# KiCad board boatcontrol.kicad_pcb (continued)
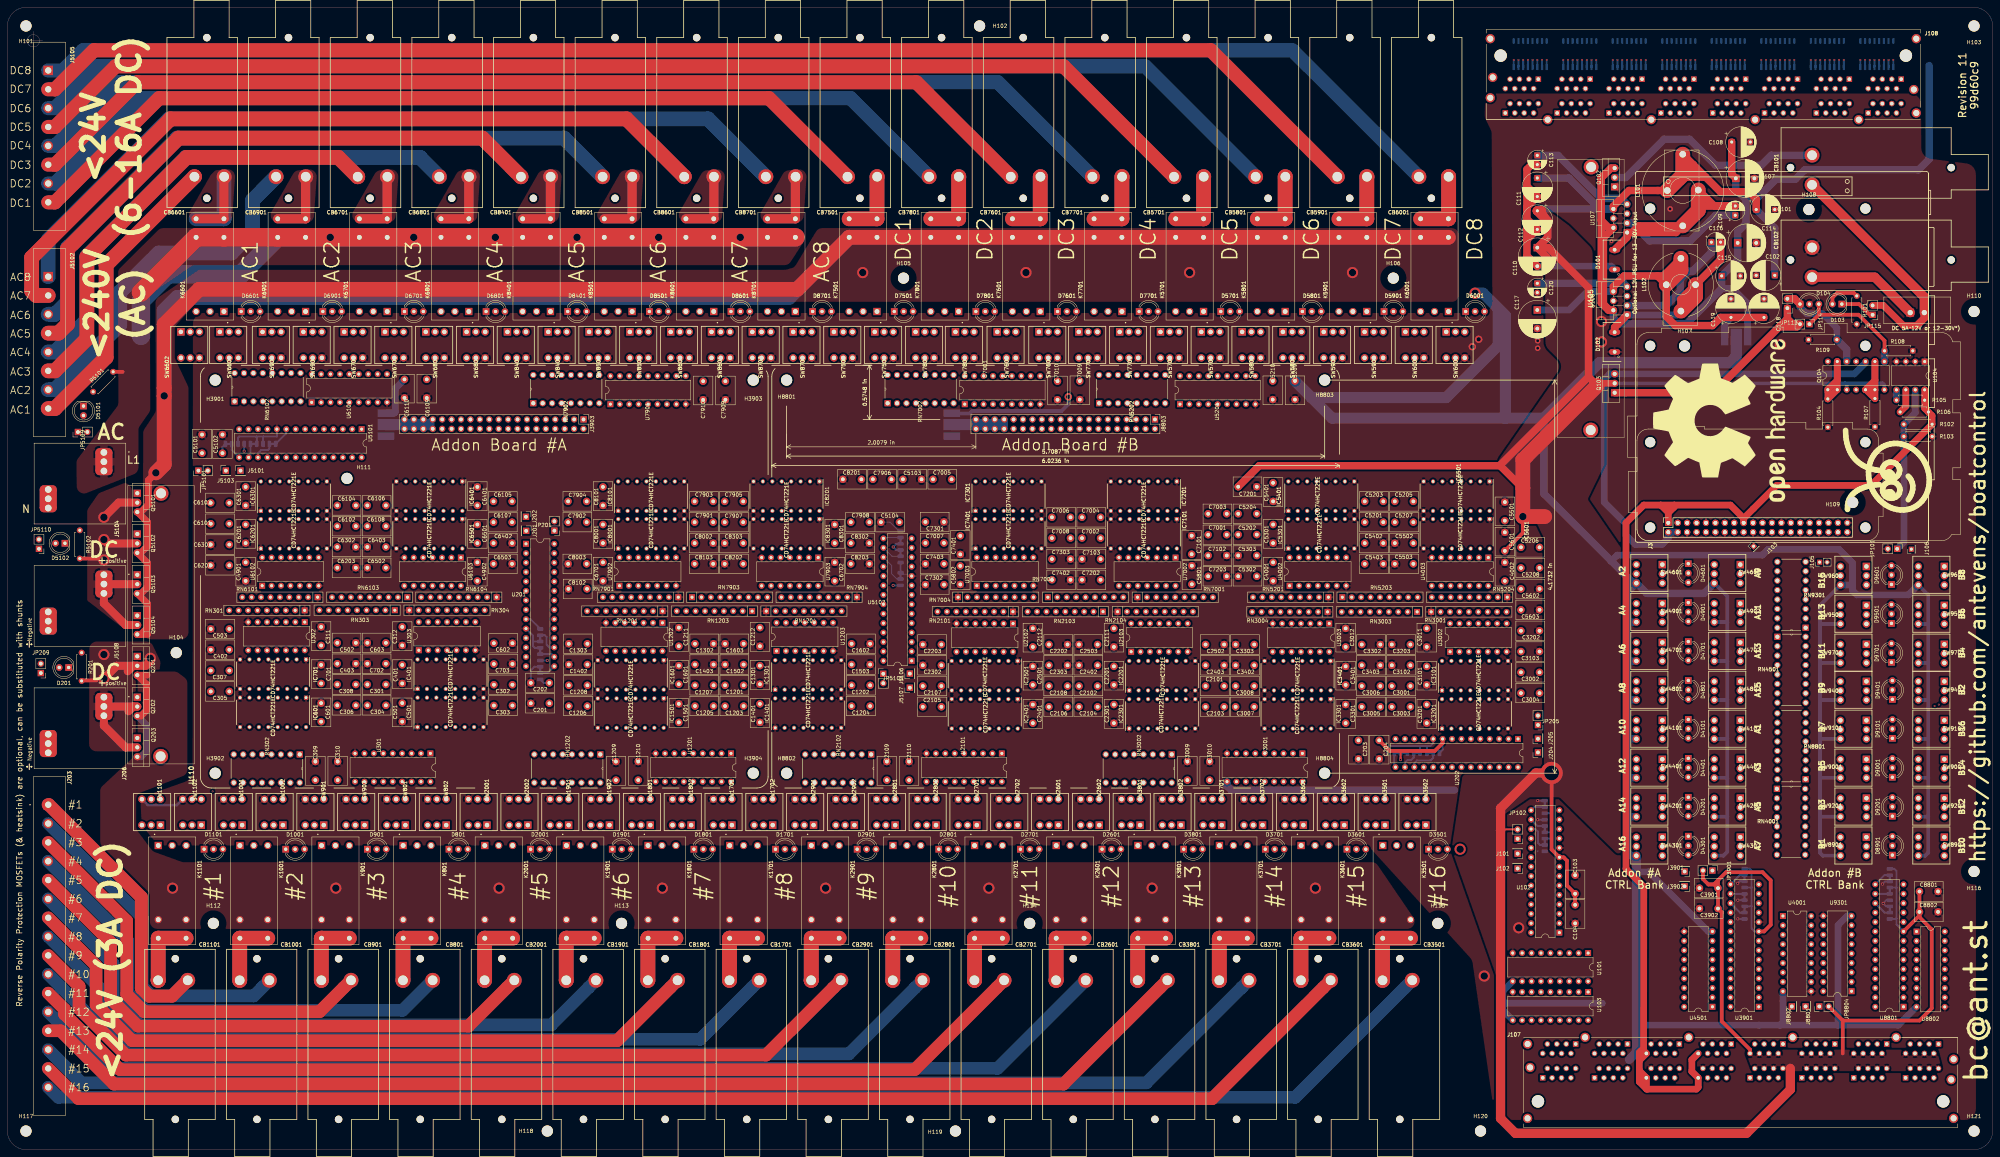
[diagram p0: board, top side]
## Routing (per net, layer and track width the routed paths; a pad name or vN(x,y) marks a point on that pad's centre or on a via; arc(x,y) is an arc through that point) (continued)
12V_DC_C10_OFF: length 374.9
  In1.Cu w0.25: J108.L_4 463.04,284.5 459.37,284.5 456.61,281.74 456.61,279.14 454.39,276.92 452.71,276.92 451.71,275.92 448.53,275.92 445.02,272.4 435.52,272.4 430.69,267.57 430.69,263.18 418.68,251.17 418.68,213.35 398.45,193.12 369.78,193.12 359.48,182.82 331.56,182.82 316.69,167.95 316.2,167.95 ; U2102.13 267.3,135.41 255.8,135.41 v4(254.32,136.88) 253.77,136.88 252.57,138.08 250.07,138.08 ; 250.07,138.08 250.08,138.08 v4(250.08,138.57) ; 250.07,138.08 248.44,138.08 246.05,140.46 246.05,147.39 249.93,151.26 249.93,165.26 251.21,166.55 253.15,166.55 254.55,167.95 316.2,167.95 ; v4(250.88,139.78) 250.88,141 249.05,142.82 249.05,145.85 249.43,146.23 252.03,146.23 RN2101.8 ; 316.29,167.95 316.2,167.95
  In2.Cu w0.25: U2102.13 268.47,133.2 268.3,133.02 268.3,131.11 269.13,130.29 269.13,129.39 270.75,127.77 274.66,127.77 275.06,128.18 278.28,128.18 C2303.2 ; v4(250.08,138.57) 250.88,139.37 v4(250.88,139.78)
12V_DC_C10_ON: length 356.6
  In1.Cu w0.25: RN2101.6 259.55,143.79 259.55,138.83 261.13,137.25 v4(262.6,137.25) ; J108.L_6 461,285 459.16,285 456.11,281.95 456.11,279.35 454.18,277.42 452.5,277.42 451.5,276.42 448.33,276.42 444.81,272.9 435.31,272.9 430.19,267.77 430.19,263.39 418.18,251.38 418.18,213.56 398.24,193.62 369.57,193.62 359.27,183.32 331.35,183.32 316.48,168.45 315.85,168.45 ; C2302.2 251.7,133.35 251.73,133.35 253.08,134.7 253.08,136.86 252.36,137.58 248.23,137.58 245.55,140.26 245.55,147.59 249.43,151.47 249.43,165.47 251.01,167.05 252.94,167.05 254.34,168.45 315.85,168.45 ; 315.85,168.45 316.08,168.45
  In2.Cu w0.25: v4(262.6,137.25) 260.85,135.5 U2102.10 259.57,132.95 254.05,132.95 C2302.2
12V_DC_C11_OFF: length 311.1
  In1.Cu w0.25: J108.C_8 482.43,279.15 481.69,278.42 479.86,278.42 478.86,277.42 475.9,277.42 472.18,273.7 462.75,273.7 v4(462.13,273.07) ; U2103.5 311.7,135.55 311.7,142.7 RN2104.5 ; C2403.2 324.93,132.62 324.93,141.9 328.23,145.2 328.23,148.21 333.2,153.19 333.2,161.56 335.59,163.95 337.34,163.95 339.82,166.43 349.68,166.43 350.68,167.43 361.87,167.43 368.18,173.73 368.18,176.44 378.34,186.6 401.55,186.6 414.07,199.13 414.07,206.63 v4(413.82,206.88)
  In2.Cu w0.25: U2103.5 314.4,132.85 320.65,132.85 C2403.2 ; v4(462.13,273.07) 454.78,265.73 449.86,265.73 445.98,269.62 439.54,269.62 437.75,271.42 423.82,271.42 422.02,269.62 418.15,269.62 414.07,265.54 414.07,264.37 413.6,263.9 411,263.9 410.5,263.4 410.5,260.23 408.6,258.33 408.6,212.1 v4(413.82,206.88)
12V_DC_C11_ON: length 328.3
  In1.Cu w0.25: J108.C_4 477.35,279.15 476.61,278.42 475.49,278.42 471.77,274.7 461.9,274.7 v4(460.28,273.07) ; RN2104.3 306.65,142.67 306.65,135.52 U2103.2 306.68,132.95 318.52,132.95 320.95,135.38 320.95,140.03 326.55,145.62 326.55,166.7 328.42,168.57 332.27,168.57 334.75,171.05 334.75,172.24 335.91,173.4 337.71,173.4 338.83,172.28 342.03,172.28 345.38,175.63 364.13,175.63 366.87,178.37 368.7,178.37 377.92,187.6 401.13,187.6 412.87,199.34 412.87,205.43 v4(412.62,205.68)
  In2.Cu w0.25: C2402.2 296.56,130.6 297.5,131.55 297.63,131.68 299.43,131.68 301.45,133.7 301.45,135.13 301.74,135.43 304.21,135.43 U2103.2 ; v4(412.62,205.68) 407.6,210.7 407.6,266.71 411.51,270.62 421.61,270.62 423.4,272.42 438.16,272.42 439.96,270.62 457.82,270.62 v4(460.28,273.07)
12V_DC_C12_OFF: length 310.2
  In1.Cu w0.25: 305.52,141.73 U2103.13 305.38,140.74 305.7,140.42 v4(305.7,138.1) ; J108.C_2 474.81,278.45 471.56,275.2 461.47,275.2 v4(459.39,273.11) ; RN2104.6 313.41,143.53 323.75,143.53 326.05,145.83 326.05,166.91 328.21,169.07 332.07,169.07 334.25,171.26 334.25,172.45 335.7,173.9 337.91,173.9 339.04,172.78 341.82,172.78 345.17,176.13 363.87,176.13 367.2,179.46 367.2,179.83 375.47,188.1 400.92,188.1 412.27,199.45 412.27,204.83 v4(412.02,205.07)
  In2.Cu w0.25: U2103.13 307.21,143.7 310.54,143.7 RN2104.6 ; C2503.2 295.7,138.1 v4(305.7,138.1) ; v4(459.39,273.11) 457.39,271.12 440.16,271.12 438.37,272.92 423.2,272.92 421.4,271.12 411.3,271.12 407.1,266.91 407.1,210 v4(412.02,205.07)
12V_DC_C12_ON: length 310.3
  In1.Cu w0.25: v4(461.19,273.06) 462.32,274.2 471.98,274.2 475.69,277.92 478.65,277.92 479.89,279.15 J108.C_6 ; v4(413.23,206.28) 413.47,206.03 413.47,199.24 401.34,187.1 378.13,187.1 367.68,176.65 367.68,173.93 364.84,171.1 359.85,171.1 359.15,171.8 359.15,174.3 358.82,174.63 345.79,174.63 342.1,170.93 339.47,170.93 337.5,172.9 336.11,172.9 335.25,172.04 335.25,170.84 332.48,168.07 328.62,168.07 327.05,166.5 327.05,145.2 v4(322.9,141.05) C2502.2
  In2.Cu w0.25: v4(322.9,141.05) 322.54,140.69 314.18,140.69 U2103.10 314.43,143.3 315.22,143.3 RN2104.8 ; v4(413.23,206.28) 408.1,211.4 408.1,266.5 411.72,270.12 421.81,270.12 423.61,271.92 437.95,271.92 439.75,270.12 446.18,270.12 450.07,266.23 454.35,266.23 v4(461.19,273.06)
12V_DC_C13_OFF: length 256.3
  In1.Cu w0.25: J108.A_8 510.37,279.15 v4(504.82,273.6) ; U3002.5 400.56,135.85 406.35,135.85 C3103.2 411.28,137.68 411.28,152.69 409.39,154.58 408.06,154.58 404.93,157.71 404.93,162.02 401.89,165.06 401.89,175.62 423.7,197.44 423.7,245.6 v4(424.5,246.4)
  In2.Cu w0.25: U3002.5 398.96,135.74 395.15,139.55 395.15,143.71 RN3001.5 ; v4(424.5,246.4) 424.75,246.65 424.75,251.92 428.83,256 435.23,256 440.08,260.85 v4(443.35,260.85) 443.6,260.6 445.71,260.6 446.34,261.23 457.08,261.23 461.35,265.5 466.81,265.5 474.67,273.36 484.14,273.36 484.15,273.35 504.57,273.35 v4(504.82,273.6)
12V_DC_C13_ON: length 294.7
  In1.Cu w0.25: J108.A_4 505.29,279.15 v4(500.77,274.63) 500.74,274.6 ; RN3001.3 386.58,142.8 380.49,142.8 376.72,139.03 376.72,131.98 C3102.2 380.35,132.85 380.35,136.65 381.75,138.05 403.14,138.05 410.28,145.18 410.28,152.27 408.97,153.58 407.65,153.58 405,156.23 402.2,156.23 401.39,157.04 401.39,163.98 400.89,164.48 400.89,176.04 422.7,197.85 422.7,247 v4(423.3,247.6)
  In2.Cu w0.25: U3002.2 390.05,135.54 390.05,143.73 RN3001.3 ; v4(423.3,247.6) 423.75,248.05 423.75,252.34 428.41,257 434.81,257 440.11,262.3 444.3,262.3 v4(444.55,262.05) 444.8,261.8 445.5,261.8 445.93,262.23 456.66,262.23 460.94,266.5 466.4,266.5 474.53,274.63 v4(500.77,274.63)
12V_DC_C14_OFF: length 287.7
  In1.Cu w0.25: U3002.13 389.96,143.25 387.95,143.25 387,142.3 380.7,142.3 378.1,139.7 C3203.2 380.45,138.55 402.94,138.55 409.78,145.39 409.78,152.07 408.77,153.08 407.44,153.08 404.79,155.73 401.99,155.73 400.89,156.83 400.89,163.77 400.39,164.27 400.39,176.25 422.2,198.06 422.2,247.7 v4(422.7,248.2) ; J108.A_2 502.75,278.45 499.4,275.1 487.57,275.1 483.39,270.92 478.59,270.92 472.38,264.7 465.15,264.7 462.85,262.4 445.4,262.4 v4(445.15,262.65)
  In2.Cu w0.25: RN3001.8 400.3,146.18 390.76,146.18 390.14,145.56 390.14,144.34 391.34,143.15 U3002.13 ; v4(445.15,262.65) 444.9,262.9 440.01,262.9 434.61,257.5 428.21,257.5 423.25,252.54 423.25,248.75 v4(422.7,248.2)
12V_DC_C14_ON: length 243.1
  In1.Cu w0.25: 502.78,274.1 v4(502.79,274.11) 507.83,279.15 J108.A_6 ; RN3001.6 398.96,142.44 U3002.10 ; v4(423.9,247) 423.2,246.3 423.2,197.65 401.39,175.83 401.39,164.69 401.89,164.19 401.89,157.24 402.4,156.73 405.2,156.73 407.85,154.08 409.18,154.08 410.78,152.48 410.78,144.98 407.9,142.1 C3202.2
  In2.Cu w0.25: C3202.2 407.9,141.31 406.17,143.04 400.14,143.04 U3002.10 ; v4(502.79,274.11) 502.54,273.86 474.47,273.86 466.61,266 461.14,266 456.87,261.73 446.14,261.73 445.61,261.2 444.2,261.2 v4(443.95,261.45) 443.7,261.7 440.22,261.7 435.02,256.5 428.62,256.5 424.25,252.13 424.25,247.35 v4(423.9,247)
12V_DC_C15_OFF: length 316.8
  In1.Cu w0.25: U3003.5 346.07,144.55 RN3004.5 ; v4(463.04,273.06) 463.17,273.2 472.39,273.2 476.11,276.92 479.07,276.92 480.07,277.92 481.9,277.92 482.93,278.94 482.93,280.93 483.6,281.6 483.6,282.2 J108.J_8 ; C3303.2 333.04,136.2 330.11,139.12 330.11,149.39 333.7,152.98 333.7,161.35 335.8,163.45 337.55,163.45 340.03,165.93 349.89,165.93 350.88,166.93 362.08,166.93 362.78,167.63 366.27,167.63 367.18,168.53 367.18,170.43 368.68,171.93 368.68,176.23 378.54,186.1 401.75,186.1 414.67,199.02 414.67,207.23 v4(414.43,207.47)
  In2.Cu w0.25: RN3004.5 344.44,146.18 334.9,146.18 334.28,145.56 334.28,144.17 336,142.45 C3303.2 ; v4(414.43,207.47) 409.1,212.8 409.1,258.12 411.35,260.38 414.06,260.38 414.57,260.89 414.57,265.33 418.36,269.12 422.23,269.12 424.03,270.92 437.54,270.92 439.34,269.12 445.77,269.12 449.66,265.23 455.2,265.23 v4(463.04,273.06)
12V_DC_C15_ON: length 339.6
  In1.Cu w0.25: U3003.2 353.69,142.01 RN3004.3 ; J108.J_4 490.98,284.5 487.31,284.5 484.6,281.79 484.6,281.19 483.93,280.52 483.93,278.53 482.32,276.92 480.48,276.92 479.48,275.92 476.52,275.92 470.31,269.7 463,269.7 462.75,269.45 v4(462.4,269.45) ; v4(415.62,208.68) 415.87,208.43 415.87,198.81 402.17,185.1 379.61,185.1 372.35,177.84 372.35,174.19 368.18,170.01 368.18,168.11 366.69,166.63 363.2,166.63 362.5,165.93 351.3,165.93 350.3,164.93 340.44,164.93 337.96,162.45 336.21,162.45 334.7,160.94 334.7,152.57 331.11,148.98 331.11,141.21 333.59,138.73 355.67,138.73 356.47,137.93 363.27,137.93 C3302.2
  In2.Cu w0.25: C3302.2 364,137.2 358.34,137.2 U3003.2 ; v4(462.4,269.45) 461.06,269.45 455.84,264.23 449.24,264.23 445.35,268.12 438.92,268.12 437.12,269.92 424.44,269.92 422.64,268.12 418.92,268.12 418.92,268.11 415.57,264.77 415.57,260.47 414.48,259.38 411.77,259.38 410.1,257.71 410.1,214.2 v4(415.62,208.68)
12V_DC_C16_OFF: length 351.5
  In1.Cu w0.25: C3403.2 366.38,131.98 366.38,136.86 364.81,138.43 356.68,138.43 355.88,139.23 344.83,139.23 ; J108.J_2 493.02,284 487.52,284 485.1,281.58 485.1,280.98 484.43,280.31 484.43,278.32 482.52,276.42 480.69,276.42 479.69,275.42 476.73,275.42 470.51,269.2 463.25,269.2 462.75,268.7 v4(462.4,268.7) ; v4(416.23,209.28) 416.47,209.03 416.47,198.7 402.37,184.6 379.82,184.6 375.28,180.05 375.28,174.14 373.55,172.41 371.29,172.41 368.68,169.8 368.68,167.91 366.89,166.13 363.4,166.13 362.7,165.43 351.51,165.43 350.1,164.02 346.88,164.02 346.38,163.52 343.11,163.52 341.15,161.57 336.04,161.57 335.2,160.73 335.2,152.4 335.2,152.36 331.61,148.77 331.61,141.41 333.8,139.23 344.83,139.23 ; 344.83,139.23 344.8,139.25 344.8,143.28 RN3004.6
  In2.Cu w0.25: C3403.2 362.6,133 354.92,133 U3003.13 ; v4(462.4,268.7) 461.01,268.7 456.04,263.73 449.04,263.73 445.15,267.62 438.72,267.62 436.92,269.42 424.65,269.42 422.85,267.62 419.13,267.62 416.07,264.56 416.07,260.27 414.68,258.87 411.97,258.87 410.6,257.5 410.6,214.9 v4(416.23,209.28)
12V_DC_C16_ON: length 327.7
  In1.Cu w0.25: U3003.10 345.63,134.23 344.35,132.95 338.35,132.95 C3402.2 336,134.16 337.38,135.54 337.38,136.86 336.66,137.58 332.37,137.58 330.61,139.33 330.61,149.19 334.2,152.77 334.2,161.14 336.01,162.95 337.76,162.95 340.23,165.43 350.09,165.43 351.09,166.43 362.29,166.43 362.99,167.13 366.48,167.13 367.68,168.32 367.65,168.3 367.68,168.33 367.68,170.22 369.18,171.72 369.18,176.03 378.75,185.6 401.96,185.6 415.27,198.91 415.27,207.83 v4(415.02,208.07) ; v4(338.3,141.05) 338.3,143.57 338,143.87 RN3004.8 ; J108.J_6 488.94,285 487.1,285 484.1,281.99 484.1,281.39 483.43,280.72 483.43,278.74 482.11,277.42 480.28,277.42 479.28,276.42 476.32,276.42 470.1,270.2 v4(462.4,270.2)
  In2.Cu w0.25: v4(338.3,141.05) 338.3,132.9 C3402.2 ; v4(415.02,208.07) 409.6,213.5 409.6,257.91 411.56,259.88 414.27,259.88 415.07,260.68 415.07,265.12 418.57,268.62 422.43,268.62 424.23,270.42 437.33,270.42 439.13,268.62 445.56,268.62 449.45,264.73 455.63,264.73 461.1,270.2 v4(462.4,270.2)
12V_DC_C17_OFF: length 283.8
  In1.Cu w0.25: J108.B_2 486.3,282.07 485.6,281.37 485.6,280.77 484.93,280.1 484.93,278.12 482.73,275.92 480.9,275.92 479.9,274.92 476.94,274.92 470.72,268.7 463.46,268.7 462.71,267.95 v4(462.4,267.95) ; C5303.2 339.63,160.19 340.51,161.07 342.39,161.07 344.34,163.02 346.59,163.02 347.09,163.52 350.31,163.52 351.71,164.93 362.91,164.93 363.61,165.63 367.36,165.63 v4(368.2,166.47) 369.18,167.45 369.18,169.6 371.49,171.91 373.76,171.91 375.78,173.93 375.78,179.85 380.01,184.08 402.56,184.08 417.07,198.59 417.07,209.63 v4(416.82,209.88) ; U4002.5 357.31,153.65 357.87,153.65 360.23,156 360.23,157.4 361.97,159.14 361.97,160.98 361.7,161.25 361.7,162.86 v4(362.57,163.73)
  In2.Cu w0.25: RN5201.4 349.63,150.2 353.86,150.2 U4002.5 ; v4(362.57,163.73) 362.9,163.4 364.11,163.4 364.42,163.71 364.42,164.2 365.14,164.92 366.65,164.92 v4(368.2,166.47) ; v4(416.82,209.88) 416.58,210.12 416.58,264.36 419.34,267.12 423.06,267.12 424.85,268.92 436.71,268.92 438.51,267.12 444.94,267.12 448.83,263.23 456.25,263.23 460.97,267.95 v4(462.4,267.95)
12V_DC_C17_ON: length 279.7
  In1.Cu w0.25: J108.B_4 490.21,280.96 486.49,280.96 485.43,279.89 485.43,277.91 482.94,275.42 481.1,275.42 480.1,274.42 477.14,274.42 470.93,268.2 463.7,268.2 462.7,267.2 v4(462.4,267.2) ; v4(417.43,210.47) 417.67,210.23 417.67,198.49 402.77,183.58 380.21,183.58 376.28,179.64 376.28,173.73 375.28,172.73 375.28,167.65 372.65,165.02 363.72,165.02 363.12,164.43 352,164.43 351.99,164.42 351.92,164.43 350.52,163.02 347.29,163.02 346.5,162.23 346.5,161.45 346,160.95 343.54,160.95 343.14,160.55 340.69,160.55 336.7,156.55 C5302.2 336.7,150.47 RN5201.8 339.49,147.68 341.19,147.68 342.01,148.5 342.01,149.41 343.23,150.63 346.67,150.63 U4002.2
  In2.Cu w0.25: v4(462.4,267.2) 460.93,267.2 456.46,262.73 448.62,262.73 444.73,266.62 438.3,266.62 436.5,268.42 425.06,268.42 423.26,266.62 419.54,266.62 417.08,264.15 417.08,210.82 v4(417.43,210.47)
12V_DC_C18_OFF: length 261.6
  In1.Cu w0.25: v4(365.8,153.45) C5403.2 369.52,161.67 376.24,161.67 377.4,162.83 377.4,171.18 380.28,174.05 380.28,181.52 380.84,182.08 403.39,182.08 420.2,198.89 420.2,250.57 427.13,257.5 434.61,257.5 442.61,265.5 462.41,265.5 464.11,267.2 471.34,267.2 477.56,273.42 480.52,273.42 481.52,274.42 483.35,274.42 486.54,277.6 492.55,277.6 493.85,278.9 493.85,280.45 494.3,280.9 495.23,280.9 J108.B_8 ; 345.84,155.58 348.09,157.84 U4002.13 ; 345.84,155.58 340.76,150.51 RN5201.7 ; 345.84,155.58 345.86,155.58 v4(347.56,153.88)
  In2.Cu w0.25: v4(347.56,153.88) 347.99,153.45 v4(365.8,153.45)
12V_DC_C18_ON: length 250.7
  In1.Cu w0.25: RN5201.3 351.9,149.93 351.9,155.86 U4002.10 355.71,157.33 v4(356.46,156.58) ; 419.7,232.7 419.7,233.2 ; 419.7,232.7 419.7,199.1 403.18,182.58 380.63,182.58 377.28,179.23 377.28,173.31 376.28,172.31 376.28,163.72 374.73,162.17 367.18,162.17 C5402.2 ; 419.7,232.7 419.7,250.78 426.92,258 434.4,258 442.4,266 462.21,266 463.91,267.7 471.13,267.7 477.35,273.92 480.31,273.92 481.31,274.92 483.14,274.92 486.33,278.1 490.5,278.1 491.3,278.9 491.3,280.15 492.48,281.33 493.12,281.33 J108.B_6
  In2.Cu w0.25: 365.8,161.12 C5402.2 365.8,161.12 ; 365.8,161.12 361.6,156.93 359.29,156.93 358.66,156.3 356.74,156.3 v4(356.46,156.58)
12V_DC_C19_OFF: length 241.1
  In1.Cu w0.25: RN5204.7 390.2,150.19 390.2,158.39 U4003.5 387.24,157.95 C5503.2 382.9,161.95 382.9,180.65 383.83,181.58 403.6,181.58 420.7,198.68 420.7,250.36 427.34,257 434.81,257 442.81,265 462.62,265 464.32,266.7 471.55,266.7 477.76,272.92 480.73,272.92 481.73,273.92 483.56,273.92 486.74,277.1 492.76,277.1 494.07,278.42 495.66,278.42 496.24,279 496.24,280.27 497.51,281.54 497.51,283.19 500.43,286.11 J108.I_8
12V_DC_C19_ON: length 278.6
  In1.Cu w0.25: v4(378.55,156) 386.35,156 v4(387.4,157.05) ; RN5204.3 397.85,150.22 397.85,153.5 396.56,154.79 U4003.2 ; J108.I_4 504.95,284.5 500.24,284.5 498.51,282.77 498.51,281.12 497.24,279.85 497.24,278.58 496.08,277.42 494.49,277.42 493.17,276.1 487.16,276.1 483.97,272.92 482.14,272.92 481.14,271.92 478.18,271.92 471.96,265.7 464.74,265.7 462.89,263.85 v4(446.35,263.85) ; v4(375.4,165.55) 375.78,165.93 375.78,172.52 376.78,173.52 376.78,179.43 380.42,183.08 402.97,183.08 418.27,198.38 418.27,210.83 v4(418.02,211.07)
  In2.Cu w0.25: v4(378.55,156) 377.28,157.27 377.28,161.92 C5502.2 377.41,163.54 v4(375.4,165.55) ; v4(387.4,157.05) 388.18,156.27 394.32,156.27 396.56,158.52 U4003.2 ; v4(446.35,263.85) 444.08,266.12 438.09,266.12 436.3,267.92 425.27,267.92 423.47,266.12 419.75,266.12 417.58,263.94 417.58,211.52 v4(418.02,211.07)
12V_DC_C20_OFF: length 245.1
  In1.Cu w0.25: U4003.13 396.58,152.01 RN5204.4 ; C5603.2 407.9,146.96 409.28,148.34 409.28,151.86 408.56,152.58 407.23,152.58 404.58,155.23 401.78,155.23 400.39,156.62 400.39,163.56 398.35,165.6 398.35,174.92 421.7,198.27 421.7,248.4 v4(422.1,248.8) ; J108.I_2 506.99,284 501.2,284 500.37,283.17 500.37,278.6 500.6,278.37 500.6,277 499.2,275.6 487.36,275.6 484.18,272.42 482.35,272.42 481.35,271.42 478.39,271.42 472.17,265.2 464.94,265.2 462.74,263 446,263 v4(445.75,263.25)
  In2.Cu w0.25: RN5204.4 397.93,147.6 405.85,147.6 C5603.2 ; v4(422.1,248.8) 422.75,249.45 422.75,252.75 428,258 434.4,258 439.8,263.4 445.6,263.4 v4(445.75,263.25)
12V_DC_C20_ON: length 242.5
  In1.Cu w0.25: U4003.10 388.94,151.47 RN5204.8 387.92,147.45 405.56,147.45 407.9,149.79 C5602.2 404.37,154.73 401.57,154.73 397.85,158.45 397.85,175.13 421.2,198.48 421.2,250.16 427.54,256.5 435.02,256.5 443.02,264.5 462.83,264.5 464.53,266.2 471.76,266.2 477.97,272.42 480.93,272.42 481.93,273.42 483.77,273.42 486.95,276.6 492.96,276.6 494.28,277.92 495.87,277.92 496.74,278.79 496.74,280.06 498.01,281.33 498.01,282.98 500.03,285 502.91,285 J108.I_6
12V_DC_C21_OFF: length 312.9
  In1.Cu w0.25: v4(458.04,275.46) 459.77,277.2 459.8,277.2 467.64,277.2 468.3,277.87 468.3,279.33 473.54,284.57 J108.K_8 ; v4(409.62,202.68) 409.9,202.4 409.9,199.9 400.12,190.12 374.67,190.12 365.2,180.65 365.2,180.29 363.04,178.13 344.35,178.13 343.4,177.18 339.06,177.18 337.79,175.9 329.84,175.9 326.48,172.53 326.48,170.17 324.88,168.57 321.93,168.57 321.1,167.74 321.1,164.76 319.92,163.58 307.5,163.58 306.78,164.29 299.77,164.29 298.51,163.02 296.91,163.02 294.6,160.71 C7103.2 ; U7002.5 304.64,158.52 305.35,157.81 305.35,153.29 305.91,152.73 305.91,151.47 306.75,150.63 307.86,150.63 308.36,150.13 310.99,150.13 RN7001.4
  In2.Cu w0.25: C7103.2 294.6,159.24 295.37,158.47 303.46,158.47 U7002.5 ; v4(458.04,275.46) 455.69,273.12 440.99,273.12 439.19,274.92 422.37,274.92 420.57,273.12 410.47,273.12 405.1,267.74 405.1,207.2 v4(409.62,202.68)
12V_DC_C21_ON: length 293.1
  In1.Cu w0.25: v4(458.98,275.47) 460.2,276.7 467.84,276.7 468.8,277.66 468.8,279.13 475.05,285.37 475.34,285.37 J108.K_6 ; U7002.2 313.44,160.83 315.93,160.83 317.03,161.93 319.92,161.93 321.65,160.19 C7102.2 322.23,158.83 318.54,158.83 317.82,158.11 317.82,155.86 322.33,151.36 RN7001.8 ; v4(321.9,161.8) 321.6,162.1 321.6,167.54 322.14,168.07 325.09,168.07 326.98,169.96 326.98,172.33 330.05,175.4 337.99,175.4 339.27,176.68 343.6,176.68 344.55,177.63 363.25,177.63 365.7,180.08 365.7,180.45 374.88,189.62 400.33,189.62 410.47,199.77 410.47,203.03 v4(410.23,203.28)
  In2.Cu w0.25: 323.6,160.3 C7102.2 323.51,160.19 v4(321.9,161.8) ; v4(410.23,203.28) 405.6,207.9 405.6,267.54 410.68,272.62 420.78,272.62 422.58,274.42 438.99,274.42 440.79,272.62 456.12,272.62 v4(458.98,275.47)
12V_DC_C22_OFF: length 291.1
  In1.Cu w0.25: v4(460.8,275.45) 461.05,275.7 471.36,275.7 472.65,276.99 472.65,278.38 472.43,278.6 472.43,281.33 475.09,284 479.05,284 J108.K_2 ; RN7001.7 321.24,147.5 322.9,147.5 323.6,148.2 C7203.2 325.48,156.48 325.48,167.05 328,169.57 331.86,169.57 333.08,170.79 333.08,171.98 335.49,174.4 338.12,174.4 339.25,173.28 341.62,173.28 344.97,176.63 363.66,176.63 366.7,179.67 366.7,180.03 375.27,188.6 400.72,188.6 411.67,199.56 411.67,204.23 v4(411.43,204.47)
  In2.Cu w0.25: RN7001.7 318.67,150.07 318.13,150.07 317.45,150.75 313.54,150.75 U7002.13 ; v4(411.43,204.47) 406.6,209.3 406.6,267.12 411.1,271.62 421.19,271.62 422.99,273.42 438.57,273.42 440.37,271.62 456.97,271.62 v4(460.8,275.45)
12V_DC_C22_ON: length 314.4
  In1.Cu w0.25: v4(459.89,275.46) 460.62,276.2 468.05,276.2 469.3,277.45 469.3,278.92 474.88,284.5 477.01,284.5 J108.K_4 ; v4(296.43,151.82) C7202.2 295.6,154.65 295.6,158 298.57,160.97 298.57,162.38 299.98,163.79 306.58,163.79 307.29,163.08 319.47,163.08 321.55,161 322.25,161 324.98,163.73 324.98,167.25 327.8,170.07 329.72,170.07 330.15,170.5 330.15,172.5 332.55,174.9 338.2,174.9 339.48,176.18 343.81,176.18 344.76,177.13 363.45,177.13 366.2,179.87 366.2,180.24 375.09,189.12 400.54,189.12 411.07,199.66 411.07,203.63 v4(410.82,203.88) ; U7002.10 306.54,150.13 306.59,150.15 306.61,150.13 307.65,150.13 308.83,148.95 RN7001.3
  In2.Cu w0.25: U7002.10 303.46,150.85 299,150.85 298.03,151.82 v4(296.43,151.82) ; v4(410.82,203.88) 406.1,208.6 406.1,267.33 410.87,272.1 410.9,272.1 ; 410.9,272.1 410.89,272.12 ; 410.9,272.1 410.92,272.12 420.98,272.12 422.78,273.92 438.78,273.92 440.58,272.12 456.54,272.12 v4(459.89,275.46)
12V_DC_C23_OFF: length 308.8
  In1.Cu w0.25: J108.D_8 467.29,280.9 466.4,280.9 465.95,280.45 465.95,279.18 464.47,277.7 459.35,277.7 v4(457.1,275.45) ; U7003.5 272.59,153.23 277.03,153.23 278.38,154.57 v4(278.38,158.32) ; v4(293.9,161.1) 296.39,163.59 298.37,163.59 299.57,164.79 306.99,164.79 307.7,164.08 319.71,164.08 320.6,164.96 320.6,167.95 321.72,169.07 324.67,169.07 325.98,170.38 325.98,172.74 329.64,176.4 337.58,176.4 338.85,177.68 343.19,177.68 344.14,178.63 362.83,178.63 364.7,180.49 364.7,180.86 374.46,190.62 399.91,190.62 409.27,199.99 409.27,201.83 v4(409.02,202.07)
  In2.Cu w0.25: RN7004.7 271.41,148.98 U7003.5 ; v4(278.38,158.32) 279.29,159.24 C7303.2 282.95,160.69 293.49,160.69 v4(293.9,161.1) ; v4(457.1,275.45) 455.27,273.62 441.2,273.62 439.4,275.42 422.16,275.42 420.36,273.62 410.27,273.62 404.6,267.95 404.6,206.5 v4(409.02,202.07)
12V_DC_C23_ON: length 334.3
  In1.Cu w0.25: v4(455.28,275.47) 458.11,278.3 458.11,280.19 458.72,280.8 462.11,280.8 J108.D_4 ; v4(407.82,200.88) 408.07,200.63 408.07,200.2 399.5,191.62 370.4,191.62 360.1,181.32 332.24,181.32 324.98,174.06 324.98,170.79 324.26,170.07 320.93,170.07 317.31,166.45 262.62,166.45 258.55,162.38 254.9,162.38 253.83,161.3 253.83,153.78 C7302.2 254.05,150.7 258.73,150.7 259.68,149.75 260.48,149.75 RN7004.3
  In2.Cu w0.25: U7003.2 261.28,149.54 RN7004.3 ; v4(407.82,200.88) 403.6,205.1 403.6,268.36 409.85,274.62 419.95,274.62 421.75,276.42 439.82,276.42 441.61,274.62 454.43,274.62 v4(455.28,275.47)
12V_DC_C24_OFF: length 334.7
  In1.Cu w0.25: J108.D_2 459.28,282.07 457.61,280.4 457.61,278.73 454.67,275.78 v4(453.73,275.78) ; RN7004.4 262.5,150.27 262.5,158.38 U7003.13 263.17,159.67 261.89,160.95 260.79,160.95 258.79,158.95 255.61,158.95 v4(254.61,157.94) ; C7403.2 252.4,160.58 254.69,162.88 258.34,162.88 262.42,166.95 317.1,166.95 322.98,172.83 323.03,172.83 332.03,181.82 359.9,181.82 370.2,192.12 399.07,192.12 v4(407.23,200.28)
  In2.Cu w0.25: v4(407.23,200.28) 403.1,204.4 403.1,268.57 409.62,275.09 409.62,275.12 419.74,275.12 421.54,276.92 440.02,276.92 441.82,275.12 453.07,275.12 v4(453.73,275.78) ; C7403.2 v4(254.61,157.94)
12V_DC_C24_ON: length 317.8
  In1.Cu w0.25: v4(456.19,275.46) 458.93,278.2 462.75,278.2 463.4,278.85 463.4,280.3 463.95,280.85 464.7,280.85 J108.D_6 ; U7003.10 272.65,158.43 v4(272.65,154) ; v4(293.85,162.1) 295.84,164.09 298.16,164.09 299.36,165.29 307.2,165.29 307.91,164.58 316.14,164.58 321.14,169.57 324.47,169.57 325.48,170.58 325.48,172.95 329.43,176.9 337.37,176.9 338.65,178.18 342.98,178.18 343.93,179.13 361.28,179.13 361.75,179.6 361.75,180.33 372.55,191.12 399.71,191.12 408.67,200.09 408.67,201.23 v4(408.43,201.47) ; C7402.2 279.64,155.51 279.64,160.52 v4(280.32,161.19)
  In2.Cu w0.25: v4(272.65,154) 272.65,150.28 RN7004.8 ; U7003.10 272.73,158.35 277.47,158.35 v4(280.32,161.19) 292.94,161.19 v4(293.85,162.1) ; v4(456.19,275.46) 454.85,274.12 441.41,274.12 439.61,275.92 421.95,275.92 420.16,274.12 410.06,274.12 404.1,268.16 404.1,205.8 v4(408.43,201.47)
230V_AC_C1_OFF: length 399.5
  In1.Cu w0.25: U7902.5 173.18,150.12 RN7901.4 ; C8003.2 157.65,159.5 157.65,176.4 158.57,177.32 161.16,177.32 163.07,179.23 318.07,179.23 328.66,189.82 356.57,189.82 366.87,200.12 395.55,200.12 409.36,213.93 409.36,267.43 413.53,271.6 422.53,271.6 429.05,278.12 429.05,280.09 429.66,280.71 429.66,281.31 430.43,282.07 J108.F_2
  In2.Cu w0.25: U7902.5 173.93,150.87 159.38,150.87 156.07,154.18 156.07,156.7 156.1,156.73 C8003.2
230V_AC_C1_ON: length 380.7
  In1.Cu w0.25: U7902.2 165.94,150.5 164.57,150.5 RN7901.8 164.2,147.77 181.9,147.77 182.05,147.92 182.05,160.39 C8002.2 187.35,165.69 187.35,177.05 188.53,178.23 318.48,178.23 329.08,188.82 356.98,188.82 367.28,199.12 395.97,199.12 410.36,213.51 410.36,263.15 410.71,263.5 415.85,263.5 430.75,278.4 435.05,278.4 435.45,278.8 435.45,280.25 436.53,281.33 437.25,281.33 J108.F_6
230V_AC_C2_OFF: length 375.6
  In1.Cu w0.25: RN7901.7 166.81,150.2 167.75,150.2 168.75,151.2 v4(168.75,155.25) 168.75,157.28 167.49,158.54 U7902.13 ; C8103.2 187.85,160.6 187.85,176.84 188.74,177.73 318.69,177.73 329.28,188.32 357.19,188.32 367.49,198.62 396.17,198.62 410.86,213.31 410.86,258.86 411.6,259.6 412.66,259.6 430.96,277.9 437,277.9 438,278.9 438,280.15 439.18,281.33 439.79,281.33 J108.F_8
  In2.Cu w0.25: C8103.2 185.2,156.54 183.36,154.7 182,154.7 181.45,155.25 v4(168.75,155.25)
230V_AC_C2_ON: length 413.8
  In1.Cu w0.25: U7902.10 176.4,158.38 176.4,150.76 175.72,150.08 RN7901.3 ; J108.F_4 434.13,280.75 430.41,280.75 429.55,279.89 429.55,277.91 415.64,264 410.5,264 409.86,263.36 409.86,213.72 395.76,199.62 367.07,199.62 356.77,189.32 328.87,189.32 318.27,178.73 163.27,178.73 161.37,176.82 158.78,176.82 158.15,176.19 158.15,154.45 v4(157.5,153.8) 156.2,152.5 C8102.2
  In2.Cu w0.25: v4(157.5,153.8) 159.7,151.6 161.5,151.6 163.52,153.62 175.5,153.62 176.4,152.72 176.4,150.76 175.72,150.08 RN7901.3
230V_AC_C3_OFF: length 344.3
  In1.Cu w0.25: U7903.5 208.34,156.51 211.22,153.62 ; RN7904.7 212.15,150.46 212.15,152.7 211.22,153.62 ; C8203.2 228.68,159.33 228.68,167.6 231.91,170.83 237,170.83 241.15,174.97 243.43,174.97 244.19,175.73 319.52,175.73 330.11,186.32 358.03,186.32 368.33,196.62 397,196.62 415.18,214.8 415.18,259.28 431.8,275.9 443.57,275.9 444.62,276.96 444.62,278.5 444.5,278.63 444.5,282.87 445.62,284 451.12,284 J108.M_2 ; 211.22,153.62 211.38,153.62 v4(213.5,155.75)
  In2.Cu w0.25: v4(213.5,155.75) 225.1,155.75 C8203.2
230V_AC_C3_ON: length 386
  In1.Cu w0.25: U7903.2 215.96,156.81 RN7904.3 222.64,147.77 208.02,147.77 204.55,151.24 v4(204.55,153.9) ; C8202.2 196.42,159.83 196.42,175.17 198.48,177.23 318.9,177.23 329.49,187.82 357.4,187.82 367.7,198.12 396.38,198.12 413.68,215.42 413.68,259.91 431.16,277.4 438.78,277.4 440.37,279 440.37,280.32 441.65,281.6 441.65,282.15 J108.M_8
  In2.Cu w0.25: v4(204.55,153.9) 200.5,157.95 C8202.2
230V_AC_C4_OFF: length 368.3
  In1.Cu w0.25: RN7904.4 219.73,150.5 217.49,150.5 U7903.13 ; C8303.2 196.92,164.92 196.92,171.33 202.32,176.73 319.1,176.73 329.7,187.32 357.6,187.32 367.9,197.62 396.59,197.62 414.18,215.21 414.18,259.71 431.37,276.9 438.99,276.9 440.87,278.79 440.87,280.12 442.15,281.39 442.15,281.94 445.2,285 447.04,285 J108.M_6
  In2.Cu w0.25: C8303.2 199.3,164.54 210.6,164.54 212.17,162.98 212.17,155.82 U7903.13